# KiCad board VectorScopeMusicAddon.kicad_pcb
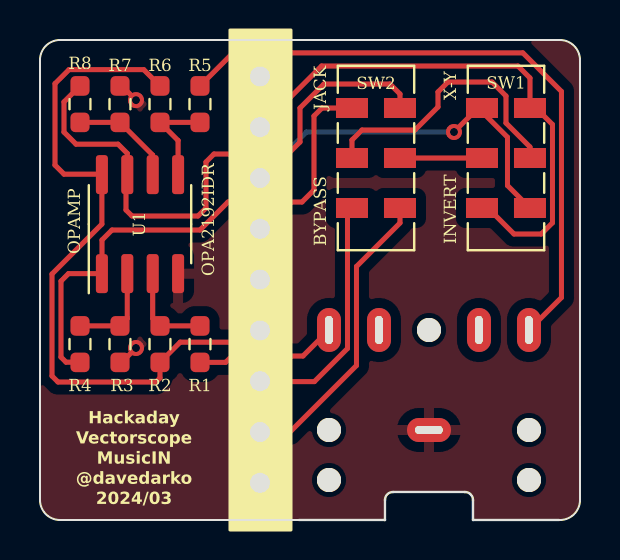
[diagram p0: board, top side]
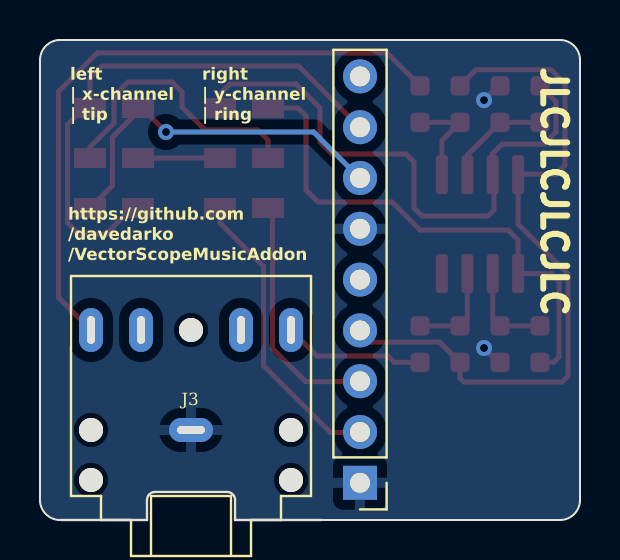
[diagram p1: board, bottom side, seen from below]

Outline 27 x 24 mm; copper layers: Top, Bottom. Coordinates in mm from the lower left corner of the outline.
Outline path: 12.95,0 1,0 arc(0.29,0.29) 0,1 0,23 arc(0.29,23.71) 1,24 26,24 arc(26.71,23.71) 27,23 27,1 arc(26.69,0.27) 25.95,0

## Placement (name value [footprint] x y rotation side)
J1  Conn_01x09_Socket  [PinHeader_1x09_P2.54mm_Vertical]  11 1.86 0 bottom
J3  AudioJack3_SwitchTR  [Jack_3.5mm_CUI_SJ1-3525N_Horizontal]  19.45 4.5 180 bottom
R1  10k  [R_0603_1608Metric_Pad0.98x0.95mm_HandSolder]  8 8.79 90 top
R2  33k  [R_0603_1608Metric_Pad0.98x0.95mm_HandSolder]  6 8.79 90 top
R3  13k  [R_0603_1608Metric_Pad0.98x0.95mm_HandSolder]  4 8.79 90 top
R4  15k  [R_0603_1608Metric_Pad0.98x0.95mm_HandSolder]  2 8.79 90 top
R5  10k  [R_0603_1608Metric_Pad0.98x0.95mm_HandSolder]  8 20.79 270 top
R6  33k  [R_0603_1608Metric_Pad0.98x0.95mm_HandSolder]  6 20.79 270 top
R7  13k  [R_0603_1608Metric_Pad0.98x0.95mm_HandSolder]  4 20.79 270 top
R8  15k  [R_0603_1608Metric_Pad0.98x0.95mm_HandSolder]  2 20.79 270 top
SW1  SW_Push_DPDT  [SW_DPDT_CK_JS202011JCQN]  23.3 18.1 270 top
SW2  SW_Push_DPDT  [SW_DPDT_CK_JS202011JCQN]  16.8 18.1 90 top
U1  OPA2192  [SOIC-8_3.9x4.9mm_P1.27mm]  5 14.79 90 top

## Library data of the parts
J1 = -: Description: Generic connector, single row, 01x09, script generated
J3 = -: Description: Audio Jack, 3 Poles (Stereo / TRS), Switched TR Poles (Normalling)
R1-R8 = -: Description: Resistor
SW1 SW2 = -: Description: Momentary Switch, dual pole double throw; MPN: C221665
U1 = -: Description: Dual, Low-Power, Low Offset Voltage, Rail-to-Rail Operational Amplifier, SOIC-8; MPN: C110074

## Footprints (pads in the part's own frame, mm; a bottom-side part is the same pattern mirrored in y, then rotated)
Jack_3.5mm_CUI_SJ1-3525N_Horizontal
  round 1.2 hole 1.2 unplated: (-5,-2.5) (-5,0) (0,5) (5,-2.5) (5,0)
  oval 1.2x2.2 hole 0.4x1.4: R(-5,5) RN(-2.5,5) T(5,5) TN(2.5,5)
  oval 2.2x1.2 hole 1.4x0.4: S(0,0)
PinHeader_1x09_P2.54mm_Vertical
  rect 1.7x1.7 hole 1: 1(0,0)
  oval 1.7x1.7 hole 1: 2(0,-2.54) 3(0,-5.08) 4(0,-7.62) 5(0,-10.16) 6(0,-12.7) 7(0,-15.24) 8(0,-17.78) 9(0,-20.32)
R_0603_1608Metric_Pad0.98x0.95mm_HandSolder
  rrect 0.975x0.95 smd: 1(-0.912,0) 2(0.912,0)
SOIC-8_3.9x4.9mm_P1.27mm
  rrect 1.95x0.6 smd: 1(-2.475,1.905) 2(-2.475,0.635) 3(-2.475,-0.635) 4(-2.475,-1.905) 5(2.475,-1.905) 6(2.475,-0.635) 7(2.475,0.635) 8(2.475,1.905)
SW_DPDT_CK_JS202011JCQN
  rect 1x1.6 smd: 1(-2.5,1.2) 2(0,1.2) 3(2.5,1.2) 4(-2.5,-1.2) 5(0,-1.2) 6(2.5,-1.2)

## Nets
AGND: J1.1 J1.6 J3.S R3.1 R7.1 U1.4
VCC: J1.4 R2.1 R6.1 U1.8
left_amp: R4.1 SW2.3 U1.1
left_in: J3.T R1.1
left_out: J1.8 SW1.1 SW1.6
right_amp: R8.1 SW2.6 U1.7
right_in: J3.R R5.1
right_out: J1.7 SW1.3 SW1.4
Net-(J1-Pin_2): J1.2 SW2.4
Net-(J1-Pin_3): J1.3 SW2.1
Net-(SW1-B-Pad2): SW1.2 SW2.2
Net-(SW1-B-Pad5): SW1.5 SW2.5
Net-(U1A-+): R1.2 R2.2 U1.3
Net-(U1A--): R3.2 R4.2 U1.2
Net-(U1B-+): R5.2 R6.2 U1.5
Net-(U1B--): R7.2 R8.2 U1.6

Pads without a net: J1 5 9; J3 RN TN

## Via types
v1: diameter 0.8, hole 0.4, Top to Bottom, 3 vias

## Routing (per net, layer and track width the routed paths; a pad name or vN(x,y) marks a point on that pad's centre or on a via; arc(x,y) is an arc through that point)
AGND: length 2.2
  Top w0.25: R7.1 4.09,21.71 v1(4.8,20.99) ; v1(4.8,8.6) 4.08,7.88 R3.1
VCC: length 35.6
  Top w0.25: J1.4 10.41,8.89 7.01,8.89 R2.1 6,7.1 5.8,6.9 0.9,6.9 0.6,7.2 0.6,12.3 3.1,14.79 3.1,17.27 3.07,17.29 1.2,17.29 0.75,17.74 0.75,21.82 1.45,22.52 5.19,22.52 R6.1
left_amp: length 26.1
  Top w0.25: R4.1 1.99,7.89 1.3,7.89 1.05,8.14 1.05,11.94 1.43,12.32 3.1,12.32 3.1,12.32 3.1,14 3.6,14.5 8,14.5 9.4,15.9 13.1,15.9 13.7,16.5 13.7,20.2 14.1,20.6 SW2.3
left_in: length 7.1
  Top w0.25: J3.T 13.15,8.2 9.6,8.2 9.28,7.88 R1.1
left_out: length 27.2
  Top w0.25: SW1.6 22.4,15.6 23.7,14.3 25.06,14.3 25.62,14.86 25.62,19.77 24.8,20.6 SW1.1 24.5,22.1 23.9,22.7 14.08,22.7 11,19.62
right_amp: length 28.9
  Top w0.25: R8.1 1.2,20.91 1.2,19.39 1.8,18.79 3.9,18.79 4.37,18.33 U1.7 4.3,17.2 4.3,15.5 4.6,15.2 7.9,15.2 8.3,15.6 8.3,17.9 8.7,18.3 12.4,18.3 13,18.9 13,20.6 14.2,21.8 17.5,21.8 18,21.3 SW2.6
right_in: length 32.2
  Top w0.25: R5.1 9.65,23.36 24.14,23.36 26.07,21.43 26.07,11.12 J3.R
right_out: length 18.6
  Top w0.25: v1(20.7,19.4) 21.9,20.6 SW1.4 22.1,20.41 23.38,19.14 23.38,16.73 SW1.3
  Bottom w0.25: 11,17.08 13.32,19.4 v1(20.7,19.4)
Net-(J1-Pin_2): length 15.1
  Top w0.25: 11,4.38 12.48,4.38 15.82,7.72 15.82,12.68 18,14.85 18,15.7
Net-(J1-Pin_3): length 12.3
  Top w0.25: 11,6.92 13.72,6.92 15.38,8.57 15.38,15.47 15.6,15.7
Net-(SW1-B-Pad2): length 14
  Top w0.25: 15.6,18.2 15.6,19 16.1,19.5 18.75,19.5 19.9,20.65 19.9,21.4 20.4,21.9 22.6,21.9 23.3,21.2 23.3,19.85 24.5,18.65 SW1.2
Net-(SW1-B-Pad5): length 4.1
  Top w0.25: SW2.5 SW1.5
Net-(U1A-+): length 4.8
  Top w0.25: R1.2 R2.2 5.63,10.07 U1.3
Net-(U1A--): length 4.8
  Top w0.25: R4.2 R3.2 4.37,10.07 U1.2
Net-(U1B-+): length 5
  Top w0.25: U1.5 6.91,18.98 R6.2 R5.2
Net-(U1B--): length 5.3
  Top w0.25: R8.2 R7.2 5.63,18.25 U1.6

## Copper pours and planes (outline as drawn; the poured copper is in the pictures)
AGND on Top, Bottom: -1,24.5 28,24.5 28,-1.5 -1,-1.5

## Text on the board
B.Silkscreen: JLCJLCJLCJLC | right / | y-channel / | ring | left / | x-channel / | tip | https://github.com / /davedarko / /VectorScopeMusicAddon
F.Silkscreen: OPAMP | OPA2192IDR | JACK | BYPASS | X-Y | INVERT | Hackaday / Vectorscope / MusicIN / @davedarko / 2024/03
